# Altium PCB Double-Width Hub Bridge.PcbDoc (part 1 of 3) (continued)
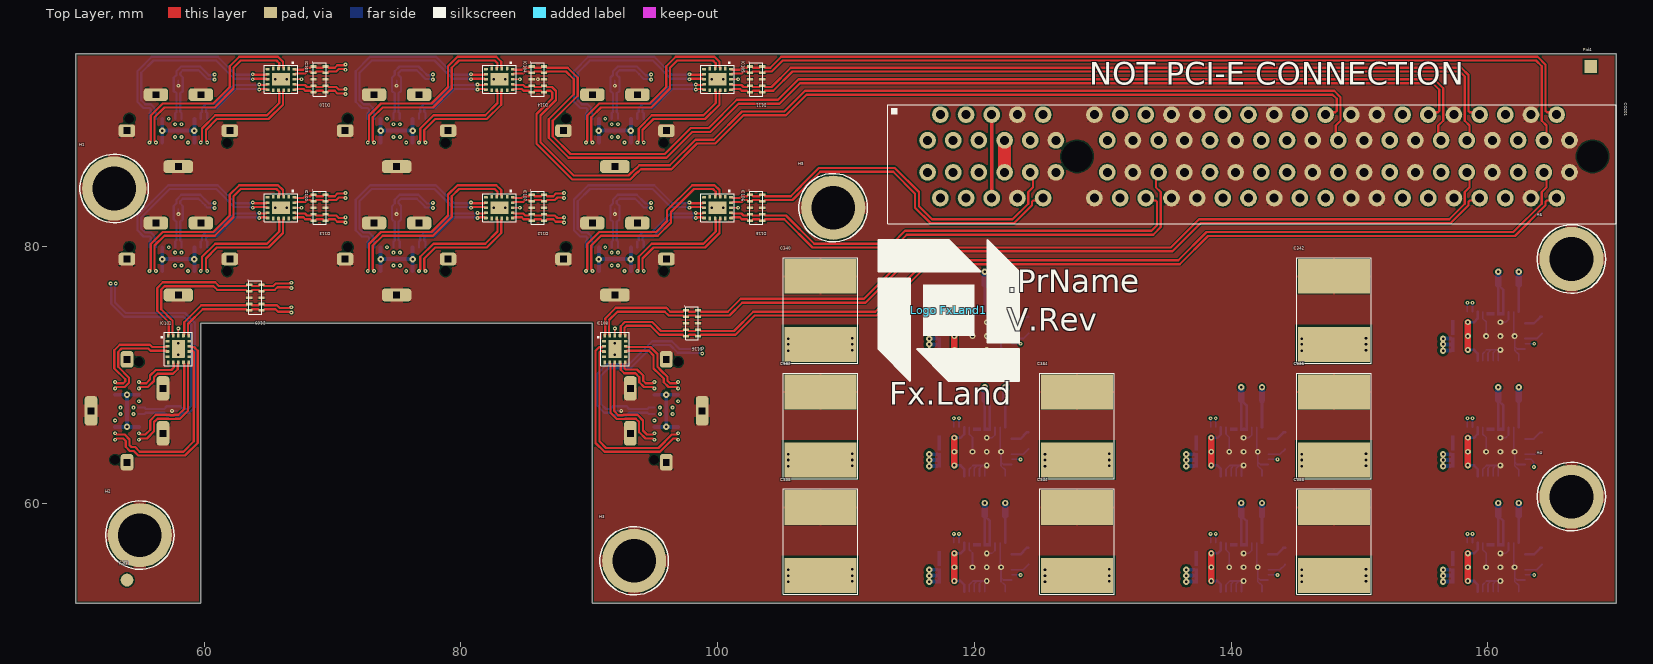
[diagram p0: Top Layer view]
## Design rules (kind name [scope] priority, off if disabled: settings)
BoardOutlineClearance BoardOutlineClearanceText [OnLayer('Top Overlay')   or        OnLayer('Bottom Overlay')] p1: gap=0 ignorepadtopadclearanceinfootprint=FALSE
BoardOutlineClearance BoardOutlineClearanceTopBot [OnLayer('Top Layer') or OnLayer('Bottom Layer')] p2: gap=0.155 ignorepadtopadclearanceinfootprint=FALSE
BoardOutlineClearance [All] p3: gap=0.155 ignorepadtopadclearanceinfootprint=FALSE except(0: Arc-SplitBarrior Arc-SplitContinuation Track-SplitBarrior Track-SplitContinuation SMDPad-SplitBarrior SMDPad-SplitContinuation THPad-SplitBarrior THPad-SplitContinuation Via-SplitBarrior Via-SplitContinuation Fill-SplitBarrior Fill-SplitContinuation Poly-SplitBarrior Poly-SplitContinuation Region-SplitBarrior Region-SplitContinuation Text-SplitBarrior Text-SplitContinuation)
Clearance Clearance_DiffPair [(InDifferentialPairClass('All Differential Pairs'))] p1: gap=0.1 ignorepadtopadclearanceinfootprint=TRUE except(0: Arc-Text Track-Text SMDPad-Text THPad-Text Via-Text Fill-Text Poly-Text Region-Text Text-Text Text-Hole)
Clearance Clearance_HighPWR [InNet('VPWR')  or   InNet('+24V')] p2: gap=0.15 ignorepadtopadclearanceinfootprint=TRUE except(0: Arc-Text Track-Text SMDPad-Text THPad-Text Via-Text Fill-Text Poly-Text Region-Text Text-Text Text-Hole)
Clearance Clearance_USBPWR [InNet('USB0_5V') or InNet('USB1_5V') or InNet('USB2_5V') or InNet('USB3_5V') or InNet('USB4_5V') or InNet('USB5_5V') or InNet('USB6_5V') or InNet('USB7_5V')] p3: gap=0.2 ignorepadtopadclearanceinfootprint=FALSE except(0: Arc-Text Track-Text SMDPad-Text THPad-Text Via-Text Fill-Text Poly-Text Region-Text Text-Text Text-Hole)
Clearance Clearance_MidPWR [InNet('+5VF')] p4: gap=0.125 ignorepadtopadclearanceinfootprint=TRUE except(0: Arc-Text Track-Text SMDPad-Text THPad-Text Via-Text Fill-Text Poly-Text Region-Text Text-Text Text-Hole)
Clearance Clearance_LowPWR [InNet('+3V3')] p5: gap=0.1 ignorepadtopadclearanceinfootprint=TRUE except(0: Arc-Text Track-Text SMDPad-Text THPad-Text Via-Text Fill-Text Poly-Text Region-Text Text-Text Text-Hole)
Clearance Clearance_DiffNets [All] p6: gap=0.1 ignorepadtopadclearanceinfootprint=TRUE except(0: Arc-Text Track-Text SMDPad-Text THPad-Text Via-Text Fill-Text Poly-Text Region-Text Text-Text Text-Hole)
Clearance Clearance_SameNets [All] p7: gap=0 ignorepadtopadclearanceinfootprint=FALSE
ComponentClearance [All] p1: gap=0 collisioncheckmode=3 verticalgap=0 showdistances=FALSE
DiffPairsRouting DiffPairsRouting_USB3 [InDifferentialPairClass('USB3')] p1: maxlimit=0.2 minlimit=0.125 mostfreqgap=0.2 toplayer_maxgap=0.125 toplayer_prefgap=0.125 toplayer_minwidth=0.175 toplayer_maxwidth=0.175 toplayer_prefwidth=0.175 midlayer1_mingap=0.2 midlayer1_minwidth=0.15 midlayer1_maxwidth=0.15 midlayer1_prefwidth=0.15 midlayer2_mingap=0.2 midlayer2_minwidth=0.15 midlayer2_maxwidth=0.15 midlayer2_prefwidth=0.15 midlayer3_mingap=0.2 midlayer3_minwidth=0.15 midlayer3_maxwidth=0.15 midlayer3_prefwidth=0.15 midlayer6_mingap=0.2 midlayer6_minwidth=0.15 midlayer6_maxwidth=0.15 midlayer6_prefwidth=0.15 midlayer7_mingap=0.2 midlayer7_minwidth=0.15 midlayer7_maxwidth=0.15 midlayer7_prefwidth=0.15 midlayer8_mingap=0.2 midlayer8_minwidth=0.15 midlayer8_maxwidth=0.15 midlayer8_prefwidth=0.15 bottomlayer_maxgap=0.125 bottomlayer_prefgap=0.125 bottomlayer_minwidth=0.175 bottomlayer_maxwidth=0.175 bottomlayer_prefwidth=0.175 impedanceprofiledriven=TRUE impedanceprofileid={2090E579-474C-4F12-B3D5-C2A5B063F598} impedanceprofilevalue=90.000000 filterlayerstackid={D35C46F4-2E52-4D90-A27E-1B933197D4E5} maxuncoupledlength=12.7
DiffPairsRouting DiffPairsRouting_USB [InDifferentialPairClass('USB')] p2: maxlimit=0.2 minlimit=0.125 mostfreqgap=0.2 toplayer_maxgap=0.125 toplayer_prefgap=0.125 toplayer_minwidth=0.175 toplayer_maxwidth=0.175 toplayer_prefwidth=0.175 midlayer1_mingap=0.2 midlayer1_minwidth=0.15 midlayer1_maxwidth=0.15 midlayer1_prefwidth=0.15 midlayer2_mingap=0.2 midlayer2_minwidth=0.15 midlayer2_maxwidth=0.15 midlayer2_prefwidth=0.15 midlayer3_mingap=0.2 midlayer3_minwidth=0.15 midlayer3_maxwidth=0.15 midlayer3_prefwidth=0.15 midlayer6_mingap=0.2 midlayer6_minwidth=0.15 midlayer6_maxwidth=0.15 midlayer6_prefwidth=0.15 midlayer7_mingap=0.2 midlayer7_minwidth=0.15 midlayer7_maxwidth=0.15 midlayer7_prefwidth=0.15 midlayer8_mingap=0.2 midlayer8_minwidth=0.15 midlayer8_maxwidth=0.15 midlayer8_prefwidth=0.15 bottomlayer_maxgap=0.125 bottomlayer_prefgap=0.125 bottomlayer_minwidth=0.175 bottomlayer_maxwidth=0.175 bottomlayer_prefwidth=0.175 impedanceprofiledriven=TRUE impedanceprofileid={2090E579-474C-4F12-B3D5-C2A5B063F598} impedanceprofilevalue=90.000000 filterlayerstackid={D35C46F4-2E52-4D90-A27E-1B933197D4E5} maxuncoupledlength=12.7
Height [All] p1: minheight=0 maxheight=100 prefheight=12.7
HoleSize [All] p1: absolutevalues=TRUE maxlimit=20 minlimit=0.025 maxpercent=80.000 minpercent=20.000
HoleToHoleClearance [All] p1: gap=0.1 allowstackedmicrovias=TRUE
MatchedLengths MatchedLengthsUSB3 [InDifferentialPairClass('USB3')] p1: tolerance=0.075 checknetsindiffpair=TRUE checkdiffpairvsdiffpair=FALSE checkxsignals=FALSE checkothers=FALSE
MinimumAnnularRing [All] p1: minimumring=0.1
MinimumSolderMaskSliver [All] p1: minsoldermaskwidth=0
PolygonConnect PolygonConnect_HighPWR [InNet('VPWR')  or   InNet('VIN') or InNet('CPWR')] p1: thpad.connectstyle=Relief thpad.reliefconductorwidth=1 thpad.reliefentries=4 thpad.polygonreliefangle="90 Angle" thpad.airgapwidth=0.1 smdpad.connectstyle=Direct smdpad.reliefconductorwidth=0.3 smdpad.reliefentries=4 smdpad.polygonreliefangle="90 Angle" smdpad.airgapwidth=0.05 via.connectstyle=Direct via.reliefconductorwidth=1.5 via.reliefentries=4 via.polygonreliefangle="90 Angle" via.airgapwidth=0.15
PolygonConnect PolygonConnect_GND [InNet('GND')] p2: thpad.connectstyle=Relief thpad.reliefconductorwidth=1 thpad.reliefentries=4 thpad.polygonreliefangle="90 Angle" thpad.airgapwidth=0.1 smdpad.connectstyle=Relief smdpad.reliefconductorwidth=0.2 smdpad.reliefentries=4 smdpad.polygonreliefangle="90 Angle" smdpad.airgapwidth=0.05 via.connectstyle=Direct via.reliefconductorwidth=1.5 via.reliefentries=4 via.polygonreliefangle="90 Angle" via.airgapwidth=0.15
PolygonConnect PolygonConnect_USBPWR [InNet('USB0_5V') or InNet('USB1_5V') or InNet('USB2_5V') or InNet('USB3_5V') or InNet('USB4_5V') or InNet('USB5_5V') or InNet('USB6_5V') or InNet('USB7_5V')] p3: thpad.connectstyle=Relief thpad.reliefconductorwidth=1 thpad.reliefentries=4 thpad.polygonreliefangle="90 Angle" thpad.airgapwidth=0.175 smdpad.connectstyle=Relief smdpad.reliefconductorwidth=0.2 smdpad.reliefentries=4 smdpad.polygonreliefangle="90 Angle" smdpad.airgapwidth=0.15 via.connectstyle=Relief via.reliefconductorwidth=0.35 via.reliefentries=4 via.polygonreliefangle="90 Angle" via.airgapwidth=0.127
PolygonConnect PolygonConnect_MidPWR [InNet('+12V') or InNet('+5V')] p4: connectstyle=Relief reliefconductorwidth=0.7 reliefentries=4 polygonreliefangle="90 Angle" airgapwidth=0.254
PolygonConnect PolygonConnect_LowPWR [InNet('NetC104_1')] p5: connectstyle=Relief reliefconductorwidth=0.5 reliefentries=4 polygonreliefangle="90 Angle" airgapwidth=0.254
PolygonConnect [All] p6: connectstyle=Relief reliefconductorwidth=0.254 reliefentries=4 polygonreliefangle="90 Angle" airgapwidth=0.254
RoutingVias RoutingVias_DiffPair [InDifferentialPairClass('All Differential Pairs')] p1: holewidth=0.1 width=0.3 viastyle="Through Hole" minholewidth=0.1 minwidth=0.3 maxholewidth=0.35 maxwidth=0.6
RoutingVias [All] p2: holewidth=0.1 width=0.3 viastyle="Through Hole" minholewidth=0.1 minwidth=0.3 maxholewidth=6.3 maxwidth=6.9
SilkToSilkClearance [All] p1: silktosilkclearance=0
SilkToSolderMaskClearance [IsPad] p1: minsilkscreentomaskgap=0 clearancetoexposedcopper=TRUE
SolderMaskExpansion [All] p1: expansion=0.102 istentingtop=FALSE
UnRoutedNet [All] p1: checkbadconnections=TRUE
Width [All] p1: maxlimit=20 minlimit=0.127 preferedwidth=0.254
21 further rules are at their usual default settings.

## Classes and differential pairs
component class "Power of Grid USB": C301 C302 C303 C304 C305 C306 C307 C308 C309 C310 C311 C312 C313 C314 C315 C316 C317 C318 C319 C320 C321 C322 C323 C324 C325 C326 C327 C328 C329 C330 C331 C332 C333 C334 C335 C336 C338 C340 C342 C344 C345 C346 C347 C348 C349 C350 C351 C352 C353 C354 C355 C356 C357 C358 C359 C360 C361 C362 C363 C364 C365 C366 C367 C368 C369 C370 C371 C372 C373 C374 C375 C376 C377 C378 C379 C380 C382 C384 C386 C388 IC301 IC302 IC303 IC304 IC305 IC306 IC307 IC308
component class "Connector to HubPCB": CO201
component class 001_OverViewMainHub-part1: Fid1 Fid2 Fid3 Fid4 H1 H2 H3 H4 H5 H6 "Logo FxLand1"
differential pair class USB3: USB0 USB0_RX USB0_RX1 USB0_RX2 USB0_TX USB0_TX1 USB0_TX2 USB0_XTX USB1 USB1_RX USB1_RX1 USB1_RX2 USB1_TX USB1_TX1 USB1_TX2 USB1_XTX USB2 USB2_RX USB2_RX1 USB2_RX2 USB2_TX USB2_TX1 USB2_TX2 USB2_XTX USB3 USB3_RX USB3_RX1 USB3_RX2 USB3_TX USB3_TX1 USB3_TX2 USB3_XTX USB4 USB4_RX USB4_RX1 USB4_RX2 USB4_TX USB4_TX1 USB4_TX2 USB4_XTX USB5 USB5_RX USB5_RX1 USB5_RX2 USB5_TX USB5_TX1 USB5_TX2 USB5_XTX USB6 USB6_RX USB6_RX1 USB6_RX2 USB6_TX USB6_TX1 USB6_TX2 USB6_XTX USB7 USB7_RX USB7_RX1 USB7_RX2 USB7_TX USB7_TX1 USB7_TX2 USB7_XTX USBF0 USBF0_RX USBF0_RX1 USBF0_RX2 USBF0_TX USBF0_TX1 USBF0_TX2 USBF0_XTX USBF1 USBF1_RX USBF1_RX1 USBF1_RX2 USBF1_TX USBF1_TX1 USBF1_TX2 USBF1_XTX USBF2 USBF2_RX USBF2_RX1 USBF2_RX2 USBF2_TX USBF2_TX1 USBF2_TX2 USBF2_XTX USBF3 USBF3_RX USBF3_RX1 USBF3_RX2 USBF3_TX USBF3_TX1 USBF3_TX2 USBF3_XTX USBG1 USBG1_RX USBG1_TX USBG1_XRX USBG1_XTX USBG2 USBG2_RX USBG2_TX USBG2_XRX USBG2_XTX USBPF USBPF_RX USBPF_TX USBPF_XRX USBPF_XTX
component class "Connection To Grid": CO101 CO102 CO103 CO104 CO105 CO106 CO107 CO108 D101 D102 D103 D104 D105 D106 D107 D108 D109 D110 D111 D112 D113 D114 D115 D116 IC101 IC102 IC103 IC104 IC105 IC106 IC107 IC108
differential pair USB7_TX2: +USB7_TX2_P -USB7_TX2_N
differential pair USB7_TX1: +USB7_TX1_P -USB7_TX1_N
differential pair USB7_RX2: +USB7_RX2_P -USB7_RX2_N
differential pair USB7_RX1: +USB7_RX1_P -USB7_RX1_N
differential pair USB6_TX2: +USB6_TX2_P -USB6_TX2_N
differential pair USB6_TX1: +USB6_TX1_P -USB6_TX1_N
differential pair USB6_RX2: +USB6_RX2_P -USB6_RX2_N
differential pair USB6_RX1: +USB6_RX1_P -USB6_RX1_N
differential pair USB5_TX2: +USB5_TX2_P -USB5_TX2_N
differential pair USB5_TX1: +USB5_TX1_P -USB5_TX1_N
differential pair USB5_RX2: +USB5_RX2_P -USB5_RX2_N
differential pair USB5_RX1: +USB5_RX1_P -USB5_RX1_N
differential pair USB4_TX2: +USB4_TX2_P -USB4_TX2_N
differential pair USB4_TX1: +USB4_TX1_P -USB4_TX1_N
differential pair USB4_RX2: +USB4_RX2_P -USB4_RX2_N
differential pair USB4_RX1: +USB4_RX1_P -USB4_RX1_N
differential pair USB3_TX2: +USB3_TX2_P -USB3_TX2_N
differential pair USB3_TX1: +USB3_TX1_P -USB3_TX1_N
differential pair USB3_RX2: +USB3_RX2_P -USB3_RX2_N
differential pair USB3_RX1: +USB3_RX1_P -USB3_RX1_N
differential pair USB2_TX2: +USB2_TX2_P -USB2_TX2_N
differential pair USB2_TX1: +USB2_TX1_P -USB2_TX1_N
differential pair USB2_RX2: +USB2_RX2_P -USB2_RX2_N
differential pair USB2_RX1: +USB2_RX1_P -USB2_RX1_N
differential pair USB1_TX2: +USB1_TX2_P -USB1_TX2_N
differential pair USB1_TX1: +USB1_TX1_P -USB1_TX1_N
differential pair USB1_RX2: +USB1_RX2_P -USB1_RX2_N
differential pair USB1_RX1: +USB1_RX1_P -USB1_RX1_N
differential pair USB0_TX2: +USB0_TX2_P -USB0_TX2_N
differential pair USB0_TX1: +USB0_TX1_P -USB0_TX1_N
differential pair USB0_RX2: +USB0_RX2_P -USB0_RX2_N
differential pair USB0_RX1: +USB0_RX1_P -USB0_RX1_N
differential pair USB7: +USB7_P -USB7_N
differential pair USB7_TX: +USB7_TX_P -USB7_TX_N
differential pair USB7_RX: +USB7_RX_P -USB7_RX_N
differential pair USB6: +USB6_P -USB6_N
differential pair USB6_TX: +USB6_TX_P -USB6_TX_N
differential pair USB6_RX: +USB6_RX_P -USB6_RX_N
differential pair USB5: +USB5_P -USB5_N
differential pair USB5_TX: +USB5_TX_P -USB5_TX_N
differential pair USB5_RX: +USB5_RX_P -USB5_RX_N
differential pair USB4: +USB4_P -USB4_N
differential pair USB4_TX: +USB4_TX_P -USB4_TX_N
differential pair USB4_RX: +USB4_RX_P -USB4_RX_N
differential pair USB3: +USB3_P -USB3_N
differential pair USB3_TX: +USB3_TX_P -USB3_TX_N
differential pair USB3_RX: +USB3_RX_P -USB3_RX_N
differential pair USB2: +USB2_P -USB2_N
differential pair USB2_TX: +USB2_TX_P -USB2_TX_N
differential pair USB2_RX: +USB2_RX_P -USB2_RX_N
differential pair USB1: +USB1_P -USB1_N
differential pair USB1_TX: +USB1_TX_P -USB1_TX_N
differential pair USB1_RX: +USB1_RX_P -USB1_RX_N
differential pair USB0: +USB0_P -USB0_N
differential pair USB0_TX: +USB0_TX_P -USB0_TX_N
differential pair USB0_RX: +USB0_RX_P -USB0_RX_N

## Components (designator, comment, footprint, x,y, rotation, side; value= is the part's Value field where it differs from the comment)
C301 "10µF" C0805 122.4,60 r90 bottom locked
C302 "10µF" C0805 124.2,57.5 r90 bottom locked
C303 "10µF" C0805 124.2,54.2 r270 bottom locked
C304 "10µF" C0805 120.8,60 r90 bottom locked
C305 "4.7µF" C1210 113.4,62.3 r180 bottom locked
C306 "10nF" C0805 114,60.2 r180 bottom locked
C307 "10nF" C0805 114,58.7 r180 bottom locked
C308 "10nF" C0805 114,57.2 r180 bottom locked
C309 "10nF" C0805 114,55.65 r180 bottom locked
C310 "10µF" C0805 122.4,78 r90 bottom locked
C311 "10µF" C0805 124.2,75.5 r90 bottom locked
C312 "10µF" C0805 124.2,72.2 r270 bottom locked
C313 "10µF" C0805 120.8,78 r90 bottom locked
C314 "4.7µF" C1210 113.4,80.3 r180 bottom locked
C315 "10nF" C0805 114,78.2 r180 bottom locked
C316 "10nF" C0805 114,76.7 r180 bottom locked
C317 "10nF" C0805 114,75.2 r180 bottom locked
C318 "10nF" C0805 114,73.65 r180 bottom locked
C319 "10µF" C0805 162.4,78 r90 bottom locked
C320 "10µF" C0805 164.2,75.5 r90 bottom locked
C321 "10µF" C0805 164.2,72.2 r270 bottom locked
C322 "10µF" C0805 160.8,78 r90 bottom locked
C323 "4.7µF" C1210 153.4,80.3 r180 bottom locked
C324 "10nF" C0805 154,78.2 r180 bottom locked
C325 "10nF" C0805 154,76.7 r180 bottom locked
C326 "10nF" C0805 154,75.2 r180 bottom locked
C327 "10nF" C0805 154,73.65 r180 bottom locked
C328 "10µF" C0805 142.4,60 r90 bottom locked
C329 "10µF" C0805 144.2,57.5 r90 bottom locked
C330 "10µF" C0805 144.2,54.2 r270 bottom locked
C331 "10µF" C0805 140.8,60 r90 bottom locked
C332 "4.7µF" C1210 133.4,62.3 r180 bottom locked
C333 "10nF" C0805 134,60.2 r180 bottom locked
C334 "10nF" C0805 134,58.7 r180 bottom locked
C335 "10nF" C0805 134,57.2 r180 bottom locked
C336 "10nF" C0805 134,55.65 r180 bottom locked
C338 "22µF" C2220 108,57 r90 top locked
C340 "22µF" C2220 108,75 r90 top locked
C342 "22µF" C2220 148,75 r90 top locked
C344 "22µF" C2220 128,57 r90 top locked
C345 "10µF" C0805 122.4,69 r90 bottom locked
C346 "10µF" C0805 124.2,66.5 r90 bottom locked
C347 "10µF" C0805 124.2,63.2 r270 bottom locked
C348 "10µF" C0805 120.8,69 r90 bottom locked
C349 "4.7µF" C1210 113.4,71.3 r180 bottom locked
C350 "10nF" C0805 114,69.2 r180 bottom locked
C351 "10nF" C0805 114,67.7 r180 bottom locked
C352 "10nF" C0805 114,66.2 r180 bottom locked
C353 "10nF" C0805 114,64.65 r180 bottom locked
C354 "10µF" C0805 142.4,69 r90 bottom locked
C355 "10µF" C0805 144.2,66.5 r90 bottom locked
C356 "10µF" C0805 144.2,63.2 r270 bottom locked
C357 "10µF" C0805 140.8,69 r90 bottom locked
C358 "4.7µF" C1210 133.4,71.3 r180 bottom locked
C359 "10nF" C0805 134,69.2 r180 bottom locked
C360 "10nF" C0805 134,67.7 r180 bottom locked
C361 "10nF" C0805 134,66.2 r180 bottom locked
C362 "10nF" C0805 134,64.65 r180 bottom locked
C363 "10µF" C0805 162.4,69 r90 bottom locked
C364 "10µF" C0805 164.2,66.5 r90 bottom locked
C365 "10µF" C0805 165.2,64 r0 bottom locked
C366 "10µF" C0805 160.8,69 r90 bottom locked
C367 "4.7µF" C1210 153.4,71.3 r180 bottom locked
C368 "10nF" C0805 154,69.2 r180 bottom locked
C369 "10nF" C0805 154,67.7 r180 bottom locked
C370 "10nF" C0805 154,66.2 r180 bottom locked
C371 "10nF" C0805 154,64.65 r180 bottom locked
C372 "10µF" C0805 162.4,60 r90 bottom locked
C373 "10µF" C0805 165.2,56.8 r0 bottom locked
C374 "10µF" C0805 164.2,54.2 r270 bottom locked
C375 "10µF" C0805 160.8,60 r90 bottom locked
C376 "4.7µF" C1210 153.4,62.3 r180 bottom locked
C377 "10nF" C0805 154,60.2 r180 bottom locked
C378 "10nF" C0805 154,58.7 r180 bottom locked
C379 "10nF" C0805 154,57.2 r180 bottom locked
C380 "10nF" C0805 154,55.65 r180 bottom locked
C382 "22µF" C2220 108,66 r90 top locked
C384 "22µF" C2220 128,66 r90 top locked
C386 "22µF" C2220 148,66 r90 top locked
C388 "22µF" C2220 148,57 r90 top locked
CO101 "USB4151" USB4151-GF-C 54,67.18 r90 bottom locked
CO102 "USB4151" USB4151-GF-C 58,79 r180 bottom locked
CO103 "USB4151" USB4151-GF-C 58,89 r180 bottom locked
CO104 "USB4151" USB4151-GF-C 75,89 r180 bottom locked
CO105 "USB4151" USB4151-GF-C 92,89 r180 bottom locked
CO106 "USB4151" USB4151-GF-C 92,79 r180 bottom locked
CO107 "USB4151" USB4151-GF-C 75,79 r180 bottom locked
CO108 "USB4151" USB4151-GF-C 96,67.18 r270 bottom locked
CO201 "PCIE-X8" 1-2362375-3 128,87 r0 top locked
D101 "TVS" SOT-3 57.5,67.18 r90 bottom locked
D102 "TVS" SOT-3 58,92.5 r180 bottom locked
D103 "TVS" SOT-3 92,92.5 r180 bottom locked
D104 "TVS" SOT-3 75,82.5 r180 bottom locked
D105 "TVS" SOT-3 58,82.5 r180 bottom locked
D106 "TVS" SOT-3 75,92.5 r180 bottom locked
D107 "TVS" SOT-3 92,82.5 r180 bottom locked
D108 "TVS" SOT-3 92.5,67.18 r270 bottom locked
D109 "TVS" SOT-1176-1 64,76 r270 top locked
D110 "TVS" SOT-1176-1 69,93 r270 top locked
D111 "TVS" SOT-1176-1 103,93 r270 top locked
D112 "TVS" SOT-1176-1 86,83 r270 top locked
D113 "TVS" SOT-1176-1 69,83 r270 top locked
D114 "TVS" SOT-1176-1 86,93 r270 top locked
D115 "TVS" SOT-1176-1 103,83 r270 top locked
D116 "TVS" SOT-1176-1 98,74 r270 top locked
Fid1 "Fiducial" FidR_1.0mm 53,94 r180 bottom locked
Fid2 "Fiducial" FidS_1.0mm 169,53.5 r180 bottom locked
Fid3 "Fiducial" FidR_1.0mm 54,54 r0 top locked
Fid4 "Fiducial" FidS_1.0mm 168,94 r0 top locked
H1 "Hole M3" HOLE_M3 53,84.5 r0 top locked
H2 "Hole M3" HOLE_M3 55,57.5 r0 top locked
H3 "Hole M3" HOLE_M3 93.5,55.5 r0 top locked
H4 "Hole M3" HOLE_M3 166.5,60.5 r0 top locked
H5 "Hole M3" HOLE_M3 109,83 r0 top locked
H6 "Hole M3" HOLE_M3 166.5,79 r0 top locked
IC101 "TUSB542" X2QFN-18 58,72 r0 top locked
IC102 "TUSB542" X2QFN-18 66,83 r270 top locked
IC103 "TUSB542" X2QFN-18 66,93 r270 top locked
IC104 "TUSB542" X2QFN-18 83,93 r270 top locked
IC105 "TUSB542" X2QFN-18 100,93 r270 top locked
IC106 "TUSB542" X2QFN-18 100,83 r270 top locked
IC107 "TUSB542" X2QFN-18 83,83 r270 top locked
IC108 "TUSB542" X2QFN-18 92,72 r0 top locked
IC301 "TPS25750D" QFNRJK-38 120,55 r180 bottom locked
IC302 "TPS25750D" QFNRJK-38 120,73 r180 bottom locked
IC303 "TPS25750D" QFNRJK-38 160,73 r180 bottom locked
IC304 "TPS25750D" QFNRJK-38 140,55 r180 bottom locked
IC305 "TPS25750D" QFNRJK-38 120,64 r180 bottom locked
IC306 "TPS25750D" QFNRJK-38 140,64 r180 bottom locked
IC307 "TPS25750D" QFNRJK-38 160,64 r180 bottom locked
IC308 "TPS25750D" QFNRJK-38 160,55 r180 bottom locked
"Logo FxLand1" "FxLand" Logo_FxLand_3 118,75 r0 top locked

## Footprints (in the part's own frame and the unit in brackets; to place one, negate y for a bottom-side part, rotate by r counter-clockwise, add the part's x,y. Pads: shape width x height; smd on the part's side, far side on the other; paste and mask are expansions set on the pad)
1-2362375-3 [mm]
  round 1.3 hole 0.7: A1(-11.65,1.25) A2(-10.65,3.25) A3(-9.65,1.25) A4(-8.65,3.25) A5(-7.65,1.25) A6(-6.65,3.25) A7(-5.65,1.25) A8(-4.65,3.25) A9(-3.65,1.25) A10(-2.65,3.25) A11(-1.65,1.25) A12(1.35,3.25) A13(2.35,1.25) A14(3.35,3.25) A15(4.35,1.25) A16(5.35,3.25) A17(6.35,1.25) A18(7.35,3.25) A19(8.35,1.25) A20(9.35,3.25) A21(10.35,1.25) A22(11.35,3.25) A23(12.35,1.25) A24(13.35,3.25) A25(14.35,1.25) A26(15.35,3.25) A27(16.35,1.25) A28(17.35,3.25) A29(18.35,1.25) A30(19.35,3.25) A31(20.35,1.25) A32(21.35,3.25) A33(22.35,1.25) A34(23.35,3.25) A35(24.35,1.25) A36(25.35,3.25) A37(26.35,1.25) A38(27.35,3.25) A39(28.35,1.25) A40(29.35,3.25) A41(30.35,1.25) A42(31.35,3.25) A43(32.35,1.25) A44(33.35,3.25) A45(34.35,1.25) A46(35.35,3.25) A47(36.35,1.25) A48(37.35,3.25) A49(38.35,1.25) B1(-11.65,-1.25) B2(-10.65,-3.25) B3(-9.65,-1.25) B4(-8.65,-3.25) B5(-7.65,-1.25) B6(-6.65,-3.25) B7(-5.65,-1.25) B8(-4.65,-3.25) B9(-3.65,-1.25) B10(-2.65,-3.25) B11(-1.65,-1.25) B12(1.35,-3.25) B13(2.35,-1.25) B14(3.35,-3.25) B15(4.35,-1.25) B16(5.35,-3.25) B17(6.35,-1.25) B18(7.35,-3.25) B19(8.35,-1.25) B20(9.35,-3.25) B21(10.35,-1.25) B22(11.35,-3.25) B23(12.35,-1.25) B24(13.35,-3.25) B25(14.35,-1.25) B26(15.35,-3.25) B27(16.35,-1.25) B28(17.35,-3.25) B29(18.35,-1.25) B30(19.35,-3.25) B31(20.35,-1.25) B32(21.35,-3.25) B33(22.35,-1.25) B34(23.35,-3.25) B35(24.35,-1.25) B36(25.35,-3.25) B37(26.35,-1.25) B38(27.35,-3.25) B39(28.35,-1.25) B40(29.35,-3.25) B41(30.35,-1.25) B42(31.35,-3.25) B43(32.35,-1.25) B44(33.35,-3.25) B45(34.35,-1.25) B46(35.35,-3.25) B47(36.35,-1.25) B48(37.35,-3.25) B49(38.35,-1.25)
  round 0 hole 2.4: HOLE(0,0) HOLE(40.15,0)
  silkscreen extent -14.75,-5.25 42,4, body extent -14.65,-5.1 41.35,3.7, height 11
C0805 [mm]
  rect 1x1.25 smd paste+0 mask+0: 1(-1,0) 2(1,0)
  silkscreen extent -1.55,-0.66 1.55,0.66, body extent -1,-0.63 1,0.63, height 0.98
C1210 [mm]
  rect 1.1x2.4 smd paste+0 mask+0: 1(-1.6,0) 2(1.6,0)
  silkscreen extent -2.2,-1.25 2.21,1.25, body extent -1.6,-1.1 1.6,1.1, height 2.5
C2220 [mm]
  rect 2.7x5.6 smd paste+0 mask+0: 1(-2.65,0) 2(2.65,0)
  silkscreen extent -4.1,-2.9 4.1,2.9, body extent -3.05,-2.65 3.05,2.65, height 6.7
FidR_1.0mm [mm]
  round 1 smd: 1(0,0)
FidS_1.0mm [mm]
  rect 1x1 smd: 1(0,0)
HOLE_M3 [mm]
  round 5 hole 3.4: 1(0,0)
  silkscreen extent -2.66,-2.66 2.67,2.66
Logo_FxLand_3 [mm]
  silkscreen extent -5.5,-5.5 5.5,5.5
QFNRJK-38 [mm]
  rect 0.6x0.2 smd: 1(-2.9,1) 2(-2.9,0.6) 3(-2.9,0.2) 4(-2.9,-0.2) 5(-2.9,-0.6) 6(-2.9,-1) 21(2.9,-0.65) 22(2.9,-0.2) 23(2.9,0.2) 24(2.9,0.65)
  rect 0.2x0.6 smd: 7(-2.4,-1.9) 8(-2,-1.9) 9(-1.6,-1.9) 10(-1.2,-1.9) 11(-0.8,-1.9) 12(-0.4,-1.9) 13(0,-1.9) 14(0.4,-1.9) 15(0.8,-1.9) 16(1.2,-1.9) 17(1.6,-1.9) 18(2,-1.9) 19(2.4,-1.9) 26(2.4,1.9) 27(2,1.9) 28(1.6,1.9) 29(1.2,1.9) 30(0.8,1.9) 31(0.4,1.9) 32(0,1.9) 33(-0.4,1.9) 34(-0.8,1.9) 35(-1.2,1.9) 36(-1.6,1.9) 37(-2,1.9) 38(-2.4,1.9)
  rect 0.6x0.25 smd: 20(2.9,-1.125) 25(2.9,1.125)
  rect 2.72x2.72 smd: 39(-0.965,0)
  rect 1.53x2.72 smd: 40(1.56,0)
  Top Layer region: 2.6,1.25 2.875,1.25 2.875,0.1 2.6,0.1
  Top Layer region: 2.6,-0.1 2.875,-0.1 2.875,-1.25 2.6,-1.25
  Top Layer region: -1.3,1.6 -1.3,1.875 -0.7,1.875 -0.7,1.6
  Top Layer region: -0.5,1.6 -0.5,1.875 0.1,1.875 0.1,1.6
  silkscreen extent -3.3,-2 3,2, body extent -3,-2 3,2, height 0.8
SOT-3 [mm]
  rect 0.3x0.3 smd mask+0.05: 1(-0.35,-0.425) 2(0.35,-0.425) 3(0,0.425)
  silkscreen extent -0.6,-0.6 0.6,0.6, body extent -0.5,-0.45 0.5,0.45, height 0.5
SOT-1176-1 [mm]
  rect 0.2x0.475 smd: 1(-1,-0.475) 2(-0.5,-0.475) 3(0,-0.475) 4(0.5,-0.475) 5(1,-0.475) 6(1,0.475) 7(0.5,0.475) 8(0,0.475) 9(-0.5,0.475) 10(-1,0.475)
  silkscreen extent -1.4,-0.6 1.3,0.5, body extent -1.25,-0.5 1.25,0.5, height 0.5
USB4151-GF-C [mm]
  round 0 hole 0.75 unplated mask+0: 0(-3.81,-0.93) 0(3.81,0.93)
  rect 0.28x1.15 smd: 1(2.75,0.925) 2(2.25,0.925) 3(1.75,0.925) 4(1.25,0.925) 5(0.75,0.925) 6(0.25,0.925) 7(-0.25,0.925) 8(-0.75,0.925) 9(-1.25,0.925) 10(-1.75,0.925) 11(-2.25,0.925) 12(-2.75,0.925) 21(-2.75,-0.925) 22(-2.25,-0.925) 23(-1.75,-0.925) 24(-1.25,-0.925) 25(-0.75,-0.925) 26(-0.25,-0.925) 27(0.25,-0.925) 28(0.75,-0.925) 29(1.25,-0.925) 30(1.75,-0.925) 31(2.25,-0.925) 32(2.75,-0.925)
  rrect50% 1.3x1 hole 0.5 square: SH(-4.01,0) SH(4.01,0)
  rrect50% 1.9x1 hole 0.5 square: SH(-1.75,2.8) SH(1.75,2.8)
  rrect50% 2.3x1 hole 0.5 square: SH(0,-2.8)
  silkscreen extent -4.5,-1.5 4.5,2.25, body extent -4.33,-2.88 4.33,2.88, height 11.15
X2QFN-18 [mm]
  rrect25% 0.3x0.2 smd: 1(-0.85,0.6) 2(-0.85,0.2) 3(-0.85,-0.2) 4(-0.85,-0.6) 10(0.85,-0.6) 11(0.85,-0.2) 12(0.85,0.2) 13(0.85,0.6)
  rrect25% 0.2x0.3 smd: 5(-0.8,-1.05) 6(-0.4,-1.05) 7(0,-1.05) 8(0.4,-1.05) 9(0.8,-1.05) 14(0.8,1.05) 15(0.4,1.05) 16(0,1.05) 17(-0.4,1.05) 18(-0.8,1.05)
  rrect5% 1x1.4 smd: 19(0,0)
  silkscreen extent -1.4,-1.3 1.1,1.3, body extent -1,-1.2 1,1.2, height 0.38

## Part data
C301 C302 C303 C304 C310 C311 C312 C313 C319 C320 C321 C322 C328 C329 C330 C331 C345 C346 C347 C348 C354 C355 C356 C357 C363 C364 C365 C366 C372 C373 C374 C375: library part CA0001, "10µF 16V 10% X5R", ID=1, ManfactPart=GRM21BR61C106KE15L, Part Number=CA0001, RefVal=10µF
C305 C314 C323 C332 C349 C358 C367 C376: library part CA0038, "4.7µF 100V 10% X5R", ID=38, ManfactPart=HMK325BJ475KM-PE, Part Number=CA0038, RefVal=4.7µF
C306 C307 C308 C309 C315 C316 C317 C318 C324 C325 C326 C327 C333 C334 C335 C336 C350 C351 C352 C353 C359 C360 C361 C362 C368 C369 C370 C371 C377 C378 C379 C380: library part CA0021, "10nF 50V 10% X7R", ID=21, ManfactPart=C0805C103K5RAC, Part Number=CA0021, RefVal=10nF
C338 C340 C342 C344 C382 C384 C386 C388: library part CA0051, "22µF 63V 20% X7R", ID=51, ManfactPart=KRM55WR71J226MH01K, Part Number=CA0051, RefVal=22µF
CO101 CO102 CO103 CO104 CO105 CO106 CO107 CO108: library part CO0017, "USB C connector Plug Vertical", ID=26, ManfactPart=USB4151-GF-C, Part Number=CO0017, RefVal=USB4151
CO201: library part CO0048, "PCIE GEN4-X8, Female, Board guide, Locking ramp", ID=48, ManfactPart=1-2362375-3, Part Number=CO0048, RefVal=PCIE-X8
D101 D102 D103 D104 D105 D106 D107 D108: library part DI0002, "USB 2 TVS Diode", ID=2, ManfactPart=TPD2EUSB30DRTR, Part Number=DI0002, RefVal=TVS
D109 D110 D111 D112 D113 D114 D115 D116: library part DI0007, "USB 3 TVS Diode", ID=7, ManfactPart=PUSB3FA2Z, Part Number=DI0007, RefVal=TVS
Fid1 Fid3: library part ME0011, "Fiducial Round 1mm", ID=11, Part Number=ME0011, RefVal=Fiducial
Fid2 Fid4: library part ME0012, "Fiducial Sqaure 1mm", ID=12, Part Number=ME0012, RefVal=Fiducial
H1 H2 H3 H4 H5 H6: library part ME0001, "Mounting Hole M3", ID=1, Part Number=ME0001, RefVal="Hole M3"
IC101 IC102 IC103 IC104 IC105 IC106 IC107 IC108: library part IC0039, "TUSB542 USB Type-C 5 Gbps Redriver 2:1 MUX", ID=39, ManfactPart=TUSB542, Part Number=IC0039, RefVal=TUSB542
IC301 IC302 IC303 IC304 IC305 IC306 IC307 IC308: library part IC0041, "USB Type-C and USB PD Controller with Integrated Power Switches Optimized for Power Applications", ID=41, ManfactPart=TPS25750D, Part Number=IC0041, RefVal=TPS25750D
"Logo FxLand1": library part ME0008, "Logo FxLand 3", ID=8, Part Number=ME0008, RefVal=FxLand

## Via types
v1: diameter 0.3, hole 0.1, Top Layer to Bottom Layer, 185 vias
v2: diameter 0.5, hole 0.2, Top Layer to Bottom Layer, 104 vias
v3: diameter 0.45, hole 0.2, Top Layer to Bottom Layer, 80 vias

## Nets (pads, with @x,y where several pads share a name; then routed paths per layer and width w, separated by ;. In a path a pad name is that pad's centre, name@x,y a point inside that pad or via, vN(x,y) a via of type N, cw(c..) or ccw(c..) an arc to the next point about the centre after c; other vN are vias at no path point)
+3V3: C301.1 C310.1 C319.1 C328.1 C345.1 C354.1 C363.1 C372.1 CO201.A7 CO201.B7 IC301.38 IC302.38 IC303.38 IC304.38 IC305.38 IC306.38 IC307.38 IC308.38 | length 145.8
  Top Layer w1: CO201.B7@122.35,85.75 CO201.A7@122.35,88.25
  Layer 3 w1: CO201.B7@122.35,85.75 CO201.A7@122.35,88.25
  Layer 7 w0.45: CO201.B7@122.35,85.75 122.35,81.9 ; v2(122.4,60) 122.65,60.25 122.65,64.5 122.4,64.75 v2(122.4,69) 122.65,69.25 122.65,73.5 122.4,73.75 v2(122.4,78) 122.35,78.05 122.35,81.9 ; v2(142.4,60) 142.65,60.25 142.65,64.5 142.4,64.75 v2(142.4,69) 142.4,81.65 142.15,81.9 ; v2(162.4,60) 162.65,60.25 162.65,64.5 162.4,64.75 v2(162.4,69) 162.65,69.25 162.65,73.5 162.4,73.75 v2(162.4,78) 158.5,81.9 142.4,81.9 142.15,81.9 ; 122.35,81.9 142.15,81.9
  Layer 7 w1: CO201.B7@122.35,85.75 CO201.A7@122.35,88.25
  Layer 8 w1: CO201.B7@122.35,85.75 CO201.A7@122.35,88.25
  Bottom Layer w0.2: IC301.38@122.4,56.9 C301.1@122.4,59 ; IC305.38@122.4,65.9 C345.1@122.4,68 ; IC302.38@122.4,74.9 C310.1@122.4,77 ; IC304.38@142.4,56.9 C328.1@142.4,59 ; IC306.38@142.4,65.9 C354.1@142.4,68 ; IC308.38@162.4,56.9 C372.1@162.4,59 ; IC307.38@162.4,65.9 C363.1@162.4,68 ; IC303.38@162.4,74.9 C319.1@162.4,77
  Bottom Layer w0.5: C301.1@122.4,59 v2(122.4,60) ; C345.1@122.4,68 v2(122.4,69) ; C310.1@122.4,77 v2(122.4,78) ; C328.1@142.4,59 v2(142.4,60) ; C354.1@142.4,68 v2(142.4,69) ; C372.1@162.4,59 v2(162.4,60) ; C363.1@162.4,68 v2(162.4,69) ; C319.1@162.4,77 v2(162.4,78)
  Bottom Layer w1: CO201.B7@122.35,85.75 CO201.A7@122.35,88.25
+5VF: C304.1 C313.1 C322.1 C331.1 C348.1 C357.1 C366.1 C375.1 CO201.A6 CO201.B6 IC301.34 IC301.35 IC302.34 IC302.35 IC303.34 IC303.35 IC304.34 IC304.35 IC305.34 IC305.35 IC306.34 IC306.35 IC307.34 IC307.35 IC308.34 IC308.35 | length 176.4
  Top Layer w0.3: CO201.B6@121.35,83.75 CO201.A6@121.35,90.25
  Layer 3 w0.3: CO201.B6@121.35,83.75 CO201.A6@121.35,90.25
  Layer 7 w0.3: CO201.B6@121.35,83.75 CO201.A6@121.35,90.25
  Layer 7 w0.5: CO201.B6@121.35,83.75 121.35,78.55 v2(120.8,78) 119.4,76.6 119.4,73.394 119.255,73.249 119.255,72.751 119.4,72.606 119.4,71.759 120.8,70.359 v2(120.8,69) 119.4,67.6 119.4,64.394 119.255,64.249 119.255,63.751 119.6,63.406 119.6,62.559 120.8,61.359 v2(120.8,60) 120.8,58.875 121.275,58.4 140.8,58.4 ; v2(140.8,69) 139.4,67.6 139.4,64.394 139.255,64.249 139.255,63.751 139.35,63.656 139.35,62.809 140.8,61.359 v2(140.8,60) 140.8,58.4 ; v2(160.8,78) 159.35,76.55 159.35,73.344 159.255,73.249 159.255,72.751 159.35,72.656 159.35,71.809 160.8,70.359 v2(160.8,69) 159.375,67.575 159.375,64.369 159.255,64.249 159.255,63.751 159.375,63.631 159.375,62.784 160.8,61.359 v2(160.8,60) 159.2,58.4 140.8,58.4
  Layer 8 w0.3: CO201.B6@121.35,83.75 CO201.A6@121.35,90.25
  Bottom Layer w0.2: IC301.34@120.8,56.9 C304.1@120.8,59 121.2,58.6 IC301.35@121.2,56.9 ; IC305.34@120.8,65.9 C348.1@120.8,68 121.2,67.6 IC305.35@121.2,65.9 ; IC302.34@120.8,74.9 C313.1@120.8,77 121.2,76.6 IC302.35@121.2,74.9 ; IC304.34@140.8,56.9 C331.1@140.8,59 141.2,58.6 IC304.35@141.2,56.9 ; IC306.34@140.8,65.9 C357.1@140.8,68 141.2,67.6 IC306.35@141.2,65.9 ; IC308.34@160.8,56.9 C375.1@160.8,59 161.2,58.6 IC308.35@161.2,56.9 ; IC307.34@160.8,65.9 C366.1@160.8,68 161.2,67.6 IC307.35@161.2,65.9 ; IC303.34@160.8,74.9 C322.1@160.8,77 161.2,76.6 IC303.35@161.2,74.9
  Bottom Layer w0.3: CO201.B6@121.35,83.75 CO201.A6@121.35,90.25
  Bottom Layer w0.5: C304.1@120.8,59 v2(120.8,60) ; C348.1@120.8,68 v2(120.8,69) ; C313.1@120.8,77 v2(120.8,78) ; C331.1@140.8,59 v2(140.8,60) ; C357.1@140.8,68 v2(140.8,69) ; C375.1@160.8,59 v2(160.8,60) ; C366.1@160.8,68 v2(160.8,69) ; C322.1@160.8,77 v2(160.8,78)